# KiCad board poly_kb_wave_right.kicad_pcb
title: Poly Keyboard Wave R; date: 2022-12-20; rev: 1.4; company: thpoll; note: AISLER Project ID: ZHKWJIQG

Outline 182 x 129 mm; copper layers: Top (plane), In1.Cu, In2.Cu (plane), Bottom. Coordinates in mm from the lower left corner of the outline.
Outline path: 0,123 0,49 1,45 17,1 19,0 21,0 61,12 130,18 173,18 176,21 182,40 182,122 181,123 110.8,129 69.3,129 2,125 0,123 ; 17.36,30.74 arc(16.22,31.27) 16.75,32.41 24.26,35.14 arc(25.39,34.61) 24.86,33.47 17.36,30.74 ; 25.47,10.08 arc(24.33,10.61) 24.86,11.75 32.37,14.48 arc(33.5,13.95) 32.97,12.81 25.47,10.08 ; 39.86,101.57 arc(38.97,102.46) 39.86,103.35 47.84,103.35 arc(48.73,102.46) 47.84,101.57 39.86,101.57 ; 39.86,82.52 arc(38.97,83.41) 39.86,84.3 47.84,84.3 arc(48.73,83.41) 47.84,82.52 39.86,82.52 ; 39.86,63.47 arc(38.97,64.36) 39.86,65.25 47.84,65.25 arc(48.73,64.36) 47.84,63.47 39.86,63.47 ; 40.03,37.99 arc(38.96,38.65) 39.61,39.72 47.35,41.58 arc(48.45,40.94) 47.79,39.85 40.03,37.99 ; 45.72,16.27 arc(44.64,16.93) 45.3,18 53.06,19.86 arc(54.13,19.21) 53.48,18.13 45.72,16.27 ; 58.91,101.57 arc(58.02,102.46) 58.91,103.35 66.89,103.35 arc(67.78,102.46) 66.89,101.57 58.91,101.57 ; 58.91,82.52 arc(58.02,83.41) 58.91,84.3 66.89,84.3 arc(67.78,83.41) 66.89,82.52 58.91,82.52 ; 58.91,63.47 arc(58.02,64.36) 58.91,65.25 66.89,65.25 arc(67.78,64.36) 66.89,63.47 58.91,63.47 ; 58.91,44.42 arc(58.02,45.31) 58.91,46.2 66.89,46.2 arc(67.78,45.31) 66.89,44.42 58.91,44.42 ; 67.21,20.23 arc(66.24,21.04) 67.05,22 75,22.69 arc(75.97,21.89) 75.16,20.92 67.21,20.23 ; 77.96,103.95 arc(77.07,104.84) 77.96,105.73 85.94,105.73 arc(86.83,104.84) 85.94,103.95 77.96,103.95 ; 77.96,84.9 arc(77.07,85.79) 77.96,86.68 85.94,86.68 arc(86.83,85.79) 85.94,84.9 77.96,84.9 ; 77.96,65.85 arc(77.07,66.74) 77.96,67.63 85.94,67.63 arc(86.83,66.74) 85.94,65.85 77.96,65.85 ; 77.96,46.8 arc(77.07,47.69) 77.96,48.58 85.94,48.58 arc(86.83,47.69) 85.94,46.8 77.96,46.8 ; 97.01,106.34 arc(96.12,107.22) 97.01,108.11 104.99,108.11 arc(105.88,107.22) 104.99,106.34 97.01,106.34 ; 97.01,87.29 arc(96.12,88.18) 97.01,89.06 104.99,89.06 arc(105.88,88.17) 104.99,87.29 97.01,87.29 ; 97.01,68.24 arc(96.12,69.13) 97.01,70.01 104.99,70.01 arc(105.88,69.12) 104.99,68.24 97.01,68.24 ; 97.01,49.19 arc(96.12,50.08) 97.01,50.96 104.99,50.96 arc(105.88,50.07) 104.99,49.19 97.01,49.19 ; 97.01,30.14 arc(96.12,31.03) 97.01,31.91 104.99,31.91 arc(105.88,31.02) 104.99,30.14 97.01,30.14 ; 116.06,103.95 arc(115.17,104.84) 116.06,105.73 124.04,105.73 arc(124.93,104.84) 124.04,103.95 116.06,103.95 ; 116.06,84.9 arc(115.17,85.79) 116.06,86.68 124.04,86.68 arc(124.93,85.79) 124.04,84.9 116.06,84.9 ; 116.06,65.85 arc(115.17,66.74) 116.06,67.63 124.04,67.63 arc(124.93,66.74) 124.04,65.85 116.06,65.85 ; 116.06,46.8 arc(115.17,47.69) 116.06,48.58 124.04,48.58 arc(124.93,47.69) 124.04,46.8 116.06,46.8 ; 116.06,27.75 arc(115.17,28.64) 116.06,29.53 124.04,29.53 arc(124.93,28.64) 124.04,27.75 116.06,27.75 ; 135.11,101.57 arc(134.22,102.46) 135.11,103.35 143.09,103.35 arc(143.98,102.46) 143.09,101.57 135.11,101.57 ; 135.11,82.52 arc(134.22,83.41) 135.11,84.3 143.09,84.3 arc(143.98,83.41) 143.09,82.52 135.11,82.52 ; 135.11,63.47 arc(134.22,64.36) 135.11,65.25 143.09,65.25 arc(143.98,64.36) 143.09,63.47 135.11,63.47 ; 135.11,44.42 arc(134.22,45.31) 135.11,46.2 143.09,46.2 arc(143.98,45.31) 143.09,44.42 135.11,44.42 ; 135.11,25.37 arc(134.22,26.26) 135.11,27.15 143.09,27.15 arc(143.98,26.26) 143.09,25.37 135.11,25.37 ; 154.16,25.37 arc(153.27,26.26) 154.16,27.15 162.14,27.15 arc(163.03,26.26) 162.14,25.37 154.16,25.37 ; 158.92,101.57 arc(158.03,102.46) 158.92,103.35 166.9,103.35 arc(167.79,102.46) 166.9,101.57 158.92,101.57 ; 158.92,82.52 arc(158.03,83.41) 158.92,84.3 166.9,84.3 arc(167.79,83.41) 166.9,82.52 158.92,82.52 ; 158.92,63.47 arc(158.03,64.36) 158.92,65.25 166.9,65.25 arc(167.79,64.36) 166.9,63.47 158.92,63.47 ; 158.92,44.42 arc(158.03,45.31) 158.92,46.2 166.9,46.2 arc(167.79,45.31) 166.9,44.42 158.92,44.42
Stack: Top 0.035mm / dielectric 1.51mm FR4 er 4.5 / In1.Cu 0.035mm / dielectric 1.51mm FR4 er 4.5 / In2.Cu 0.035mm / dielectric 1.51mm FR4 er 4.5 / Bottom 0.035mm

## Placement (name value [footprint] x y rotation side)
C1  10pF 0603 16V  [C_0603_1608Metric]  31.65 113.91 270 top
C1_1  2.2uF 0603 25V  [C_0603_1608Metric]  37.25 116.2 180 bottom
C1_2  2.2uF 0603 25V  [C_0603_1608Metric]  56.3 116.2 180 bottom
C1_3  2.2uF 0603 25V  [C_0603_1608Metric]  75.35 118.58 180 bottom
C1_4  2.2uF 0603 25V  [C_0603_1608Metric]  94.4 120.96 180 bottom
C1_5  2.2uF 0603 25V  [C_0603_1608Metric]  113.45 118.58 180 bottom
C1_6  2.2uF 0603 25V  [C_0603_1608Metric]  132.5 116.2 180 bottom
C1_7  2.2uF 0603 25V  [C_0603_1608Metric]  156.31 116.2 180 bottom
C1_8  2.2uF 0603 25V  [C_0603_1608Metric]  37.25 97.15 180 bottom
C1_9  2.2uF 0603 25V  [C_0603_1608Metric]  56.3 97.15 180 bottom
C1_10  2.2uF 0603 25V  [C_0603_1608Metric]  75.35 99.53 180 bottom
C1_11  2.2uF 0603 25V  [C_0603_1608Metric]  94.4 101.91 180 bottom
C1_12  2.2uF 0603 25V  [C_0603_1608Metric]  113.45 99.53 180 bottom
C1_13  2.2uF 0603 25V  [C_0603_1608Metric]  132.5 97.15 180 bottom
C1_14  2.2uF 0603 25V  [C_0603_1608Metric]  156.31 97.15 180 bottom
C1_15  2.2uF 0603 25V  [C_0603_1608Metric]  37.25 78.1 180 bottom
C1_16  2.2uF 0603 25V  [C_0603_1608Metric]  56.3 78.1 180 bottom
C1_17  2.2uF 0603 25V  [C_0603_1608Metric]  75.35 80.48 180 bottom
C1_18  2.2uF 0603 25V  [C_0603_1608Metric]  94.4 82.86 180 bottom
C1_19  2.2uF 0603 25V  [C_0603_1608Metric]  113.45 80.48 180 bottom
C1_20  2.2uF 0603 25V  [C_0603_1608Metric]  132.5 78.1 180 bottom
C1_21  2.2uF 0603 25V  [C_0603_1608Metric]  156.31 78.1 180 bottom
C1_22  2.2uF 0603 25V  [C_0603_1608Metric]  34.08 51.6 193.5 bottom
C1_23  2.2uF 0603 25V  [C_0603_1608Metric]  56.3 59.05 180 bottom
C1_24  2.2uF 0603 25V  [C_0603_1608Metric]  75.35 61.43 180 bottom
C1_25  2.2uF 0603 25V  [C_0603_1608Metric]  94.4 63.81 180 bottom
C1_26  2.2uF 0603 25V  [C_0603_1608Metric]  113.45 61.43 180 bottom
C1_27  2.2uF 0603 25V  [C_0603_1608Metric]  132.5 59.05 180 bottom
C1_28  2.2uF 0603 25V  [C_0603_1608Metric]  156.31 59.05 180 bottom
C1_29  2.2uF 0603 25V  [C_0603_1608Metric]  9.91 43.59 200 bottom
C1_30  2.2uF 0603 25V  [C_0603_1608Metric]  18.02 22.93 200 bottom
C1_31  2.2uF 0603 25V  [C_0603_1608Metric]  39.75 29.89 193.5 bottom
C1_32  2.2uF 0603 25V  [C_0603_1608Metric]  63.35 34.55 185 bottom
C1_33  2.2uF 0603 25V  [C_0603_1608Metric]  94.4 44.76 180 bottom
C1_34  2.2uF 0603 25V  [C_0603_1608Metric]  113.45 42.38 180 bottom
C1_35  2.2uF 0603 25V  [C_0603_1608Metric]  132.5 40 180 bottom
C1_36  2.2uF 0603 25V  [C_0603_1608Metric]  151.55 40 180 bottom
C2  10pF 0603 16V  [C_0603_1608Metric]  30.05 113.91 270 top
C2_1  2.2uF 0603 16V  [C_0603_1608Metric]  50.62 110.24 180 bottom
C2_2  2.2uF 0603 16V  [C_0603_1608Metric]  69.67 110.24 180 bottom
C2_3  2.2uF 0603 16V  [C_0603_1608Metric]  88.72 112.62 180 bottom
C2_4  2.2uF 0603 16V  [C_0603_1608Metric]  107.77 115 180 bottom
C2_5  2.2uF 0603 16V  [C_0603_1608Metric]  126.82 112.62 180 bottom
C2_6  2.2uF 0603 16V  [C_0603_1608Metric]  145.84 110.17 0 bottom
C2_7  2.2uF 0603 16V  [C_0603_1608Metric]  169.68 110.24 180 bottom
C2_8  2.2uF 0603 16V  [C_0603_1608Metric]  50.62 91.19 180 bottom
C2_9  2.2uF 0603 16V  [C_0603_1608Metric]  69.67 91.19 180 bottom
C2_10  2.2uF 0603 16V  [C_0603_1608Metric]  88.72 93.57 180 bottom
C2_11  2.2uF 0603 16V  [C_0603_1608Metric]  107.77 95.95 180 bottom
C2_12  2.2uF 0603 16V  [C_0603_1608Metric]  126.82 93.57 180 bottom
C2_13  2.2uF 0603 16V  [C_0603_1608Metric]  145.89 91.22 0 bottom
C2_14  2.2uF 0603 16V  [C_0603_1608Metric]  169.68 91.19 180 bottom
C2_15  2.2uF 0603 16V  [C_0603_1608Metric]  50.62 72.14 180 bottom
C2_16  2.2uF 0603 16V  [C_0603_1608Metric]  69.67 72.14 180 bottom
C2_17  2.2uF 0603 16V  [C_0603_1608Metric]  88.72 74.52 180 bottom
C2_18  2.2uF 0603 16V  [C_0603_1608Metric]  107.77 76.9 180 bottom
C2_19  2.2uF 0603 16V  [C_0603_1608Metric]  126.82 74.52 180 bottom
C2_20  2.2uF 0603 16V  [C_0603_1608Metric]  145.89 72.1 0 bottom
C2_21  2.2uF 0603 16V  [C_0603_1608Metric]  169.68 72.14 180 bottom
C2_22  2.2uF 0603 16V  [C_0603_1608Metric]  48.47 48.92 193.5 bottom
C2_23  2.2uF 0603 16V  [C_0603_1608Metric]  69.67 53.09 180 bottom
C2_24  2.2uF 0603 16V  [C_0603_1608Metric]  88.72 55.47 180 bottom
C2_25  2.2uF 0603 16V  [C_0603_1608Metric]  107.77 57.85 180 bottom
C2_26  2.2uF 0603 16V  [C_0603_1608Metric]  126.82 55.47 180 bottom
C2_27  2.2uF 0603 16V  [C_0603_1608Metric]  145.89 53.05 0 bottom
C2_28  2.2uF 0603 16V  [C_0603_1608Metric]  169.68 53.09 180 bottom
C2_29  2.2uF 0603 16V  [C_0603_1608Metric]  24.51 42.56 200 bottom
C2_30  2.2uF 0603 16V  [C_0603_1608Metric]  32.62 21.9 200 bottom
C2_31  2.2uF 0603 16V  [C_0603_1608Metric]  54.14 27.21 193.5 bottom
C2_32  2.2uF 0603 16V  [C_0603_1608Metric]  77.19 29.77 185 bottom
C2_33  2.2uF 0603 16V  [C_0603_1608Metric]  107.77 38.8 180 bottom
C2_34  2.2uF 0603 16V  [C_0603_1608Metric]  126.82 36.42 180 bottom
C2_35  2.2uF 0603 16V  [C_0603_1608Metric]  145.87 34.04 180 bottom
C2_36  2.2uF 0603 16V  [C_0603_1608Metric]  164.92 34.04 180 bottom
C3  27pF 0402 16V  [C_0402_1005Metric]  19.1 97.2 180 bottom
C3_1  1uF 0402 16V  [C_0402_1005Metric]  50.13 117.54 0 bottom
C3_2  1uF 0402 16V  [C_0402_1005Metric]  69.18 117.54 0 bottom
C3_3  1uF 0402 16V  [C_0402_1005Metric]  88.23 119.92 0 bottom
C3_4  1uF 0402 16V  [C_0402_1005Metric]  107.28 122.3 0 bottom
C3_5  1uF 0402 16V  [C_0402_1005Metric]  126.33 119.92 0 bottom
C3_6  1uF 0402 16V  [C_0402_1005Metric]  145.38 117.54 0 bottom
C3_7  1uF 0402 16V  [C_0402_1005Metric]  169.19 117.54 0 bottom
C3_8  1uF 0402 16V  [C_0402_1005Metric]  50.13 98.49 0 bottom
C3_9  1uF 0402 16V  [C_0402_1005Metric]  69.18 98.49 0 bottom
C3_10  1uF 0402 16V  [C_0402_1005Metric]  88.23 100.87 0 bottom
C3_11  1uF 0402 16V  [C_0402_1005Metric]  107.28 103.25 0 bottom
C3_12  1uF 0402 16V  [C_0402_1005Metric]  126.33 100.87 0 bottom
C3_13  1uF 0402 16V  [C_0402_1005Metric]  145.38 98.49 0 bottom
C3_14  1uF 0402 16V  [C_0402_1005Metric]  169.19 98.49 0 bottom
C3_15  1uF 0402 16V  [C_0402_1005Metric]  50.13 79.44 0 bottom
C3_16  1uF 0402 16V  [C_0402_1005Metric]  69.18 79.44 0 bottom
C3_17  1uF 0402 16V  [C_0402_1005Metric]  88.23 81.82 0 bottom
C3_18  1uF 0402 16V  [C_0402_1005Metric]  107.28 84.2 0 bottom
C3_19  1uF 0402 16V  [C_0402_1005Metric]  126.33 81.82 0 bottom
C3_20  1uF 0402 16V  [C_0402_1005Metric]  145.38 79.44 0 bottom
C3_21  1uF 0402 16V  [C_0402_1005Metric]  169.19 79.44 0 bottom
C3_22  1uF 0402 16V  [C_0402_1005Metric]  46.29 55.91 13.5 bottom
C3_23  1uF 0402 16V  [C_0402_1005Metric]  69.18 60.39 0 bottom
C3_24  1uF 0402 16V  [C_0402_1005Metric]  88.23 62.77 0 bottom
C3_25  1uF 0402 16V  [C_0402_1005Metric]  107.28 65.15 0 bottom
C3_26  1uF 0402 16V  [C_0402_1005Metric]  126.33 62.77 0 bottom
C3_27  1uF 0402 16V  [C_0402_1005Metric]  145.38 60.39 0 bottom
C3_28  1uF 0402 16V  [C_0402_1005Metric]  169.19 60.39 0 bottom
C3_29  1uF 0402 16V  [C_0402_1005Metric]  21.55 49.25 20 bottom
C3_30  1uF 0402 16V  [C_0402_1005Metric]  29.66 28.59 20 bottom
C3_31  1uF 0402 16V  [C_0402_1005Metric]  51.96 34.2 13.5 bottom
C3_32  1uF 0402 16V  [C_0402_1005Metric]  76.07 37.01 5 bottom
C3_33  1uF 0402 16V  [C_0402_1005Metric]  107.28 46.1 0 bottom
C3_34  1uF 0402 16V  [C_0402_1005Metric]  126.33 43.72 0 bottom
C3_35  1uF 0402 16V  [C_0402_1005Metric]  145.38 41.34 0 bottom
C3_36  1uF 0402 16V  [C_0402_1005Metric]  164.43 41.34 0 bottom
C4  10uF 0805 16V  [C_0805_2012Metric]  3.1 116.41 180 top
C4_1  CA45-A-25V-4.7uF-K 4.7uF 3216 25V Tantalum  [CP_EIA-3216-18_Kemet-A]  36.85 118.12 180 bottom
C4_2  CA45-A-25V-4.7uF-K 4.7uF 3216 25V Tantalum  [CP_EIA-3216-18_Kemet-A]  55.9 118.12 180 bottom
C4_3  CA45-A-25V-4.7uF-K 4.7uF 3216 25V Tantalum  [CP_EIA-3216-18_Kemet-A]  74.95 120.5 180 bottom
C4_4  CA45-A-25V-4.7uF-K 4.7uF 3216 25V Tantalum  [CP_EIA-3216-18_Kemet-A]  93.3 110.7 270 bottom
C4_5  CA45-A-25V-4.7uF-K 4.7uF 3216 25V Tantalum  [CP_EIA-3216-18_Kemet-A]  113.05 120.5 180 bottom
C4_6  CA45-A-25V-4.7uF-K 4.7uF 3216 25V Tantalum  [CP_EIA-3216-18_Kemet-A]  132.1 118.12 180 bottom
C4_7  CA45-A-25V-4.7uF-K 4.7uF 3216 25V Tantalum  [CP_EIA-3216-18_Kemet-A]  155.92 118.12 180 bottom
C4_8  CA45-A-25V-4.7uF-K 4.7uF 3216 25V Tantalum  [CP_EIA-3216-18_Kemet-A]  37.8 100.35 90 bottom
C4_9  CA45-A-25V-4.7uF-K 4.7uF 3216 25V Tantalum  [CP_EIA-3216-18_Kemet-A]  55.9 99.07 180 bottom
C4_10  CA45-A-25V-4.7uF-K 4.7uF 3216 25V Tantalum  [CP_EIA-3216-18_Kemet-A]  74.95 101.45 180 bottom
C4_11  CA45-A-25V-4.7uF-K 4.7uF 3216 25V Tantalum  [CP_EIA-3216-18_Kemet-A]  94 103.84 180 bottom
C4_12  CA45-A-25V-4.7uF-K 4.7uF 3216 25V Tantalum  [CP_EIA-3216-18_Kemet-A]  113.05 101.45 180 bottom
C4_13  CA45-A-25V-4.7uF-K 4.7uF 3216 25V Tantalum  [CP_EIA-3216-18_Kemet-A]  132.1 99.07 180 bottom
C4_14  CA45-A-25V-4.7uF-K 4.7uF 3216 25V Tantalum  [CP_EIA-3216-18_Kemet-A]  155.92 99.07 180 bottom
C4_15  CA45-A-25V-4.7uF-K 4.7uF 3216 25V Tantalum  [CP_EIA-3216-18_Kemet-A]  36.85 80.02 180 bottom
C4_16  CA45-A-25V-4.7uF-K 4.7uF 3216 25V Tantalum  [CP_EIA-3216-18_Kemet-A]  55.9 80.02 180 bottom
C4_17  CA45-A-25V-4.7uF-K 4.7uF 3216 25V Tantalum  [CP_EIA-3216-18_Kemet-A]  74.95 82.41 180 bottom
C4_18  CA45-A-25V-4.7uF-K 4.7uF 3216 25V Tantalum  [CP_EIA-3216-18_Kemet-A]  94 84.79 180 bottom
C4_19  CA45-A-25V-4.7uF-K 4.7uF 3216 25V Tantalum  [CP_EIA-3216-18_Kemet-A]  113.05 82.41 180 bottom
C4_20  CA45-A-25V-4.7uF-K 4.7uF 3216 25V Tantalum  [CP_EIA-3216-18_Kemet-A]  132.1 80.02 180 bottom
C4_21  CA45-A-25V-4.7uF-K 4.7uF 3216 25V Tantalum  [CP_EIA-3216-18_Kemet-A]  155.92 81.1 180 bottom
C4_22  CA45-A-25V-4.7uF-K 4.7uF 3216 25V Tantalum  [CP_EIA-3216-18_Kemet-A]  32.6 53.3 193.5 bottom
C4_23  CA45-A-25V-4.7uF-K 4.7uF 3216 25V Tantalum  [CP_EIA-3216-18_Kemet-A]  55.9 60.97 180 bottom
C4_24  CA45-A-25V-4.7uF-K 4.7uF 3216 25V Tantalum  [CP_EIA-3216-18_Kemet-A]  74.95 63.35 180 bottom
C4_25  CA45-A-25V-4.7uF-K 4.7uF 3216 25V Tantalum  [CP_EIA-3216-18_Kemet-A]  94 65.74 180 bottom
C4_26  CA45-A-25V-4.7uF-K 4.7uF 3216 25V Tantalum  [CP_EIA-3216-18_Kemet-A]  113.05 63.35 180 bottom
C4_27  CA45-A-25V-4.7uF-K 4.7uF 3216 25V Tantalum  [CP_EIA-3216-18_Kemet-A]  132.1 60.97 180 bottom
C4_28  CA45-A-25V-4.7uF-K 4.7uF 3216 25V Tantalum  [CP_EIA-3216-18_Kemet-A]  155.92 60.97 180 bottom
C4_29  CA45-A-25V-4.7uF-K 4.7uF 3216 25V Tantalum  [CP_EIA-3216-18_Kemet-A]  8.37 45.37 200 bottom
C4_30  CA45-A-25V-4.7uF-K 4.7uF 3216 25V Tantalum  [CP_EIA-3216-18_Kemet-A]  16.8 24.81 200 bottom
C4_31  CA45-A-25V-4.7uF-K 4.7uF 3216 25V Tantalum  [CP_EIA-3216-18_Kemet-A]  38.6 31.91 193.5 bottom
C4_32  CA45-A-25V-4.7uF-K 4.7uF 3216 25V Tantalum  [CP_EIA-3216-18_Kemet-A]  62.6 36.6 185 bottom
C4_33  CA45-A-25V-4.7uF-K 4.7uF 3216 25V Tantalum  [CP_EIA-3216-18_Kemet-A]  94 46.69 180 bottom
C4_34  CA45-A-25V-4.7uF-K 4.7uF 3216 25V Tantalum  [CP_EIA-3216-18_Kemet-A]  113.05 44.3 180 bottom
C4_35  CA45-A-25V-4.7uF-K 4.7uF 3216 25V Tantalum  [CP_EIA-3216-18_Kemet-A]  132.1 41.92 180 bottom
C4_36  CA45-A-25V-4.7uF-K 4.7uF 3216 25V Tantalum  [CP_EIA-3216-18_Kemet-A]  151.15 41.8 180 bottom
C5  22pF 0603 16V  [C_0603_1608Metric]  6.7 111.66 0 top
C5_1  1uF 0402 16V  [C_0402_1005Metric]  50.13 114.67 180 bottom
C5_2  1uF 0402 16V  [C_0402_1005Metric]  69.18 114.67 180 bottom
C5_3  1uF 0402 16V  [C_0402_1005Metric]  88.23 117.05 180 bottom
C5_4  1uF 0402 16V  [C_0402_1005Metric]  107.28 119.44 180 bottom
C5_5  1uF 0402 16V  [C_0402_1005Metric]  126.33 117.05 180 bottom
C5_6  1uF 0402 16V  [C_0402_1005Metric]  145.38 114.67 180 bottom
C5_7  1uF 0402 16V  [C_0402_1005Metric]  169.19 114.67 180 bottom
C5_8  1uF 0402 16V  [C_0402_1005Metric]  50.13 95.62 180 bottom
C5_9  1uF 0402 16V  [C_0402_1005Metric]  69.18 95.62 180 bottom
C5_10  1uF 0402 16V  [C_0402_1005Metric]  88.23 98 180 bottom
C5_11  1uF 0402 16V  [C_0402_1005Metric]  107.28 100.39 180 bottom
C5_12  1uF 0402 16V  [C_0402_1005Metric]  126.33 98 180 bottom
C5_13  1uF 0402 16V  [C_0402_1005Metric]  145.38 95.62 180 bottom
C5_14  1uF 0402 16V  [C_0402_1005Metric]  169.19 95.62 180 bottom
C5_15  1uF 0402 16V  [C_0402_1005Metric]  50.13 76.57 180 bottom
C5_16  1uF 0402 16V  [C_0402_1005Metric]  69.18 76.57 180 bottom
C5_17  1uF 0402 16V  [C_0402_1005Metric]  88.23 78.95 180 bottom
C5_18  1uF 0402 16V  [C_0402_1005Metric]  107.28 81.34 180 bottom
C5_19  1uF 0402 16V  [C_0402_1005Metric]  126.33 78.95 180 bottom
C5_20  1uF 0402 16V  [C_0402_1005Metric]  145.38 76.57 180 bottom
C5_21  1uF 0402 16V  [C_0402_1005Metric]  169.19 76.57 180 bottom
C5_22  1uF 0402 16V  [C_0402_1005Metric]  46.96 53.13 193.5 bottom
C5_23  1uF 0402 16V  [C_0402_1005Metric]  69.18 57.52 180 bottom
C5_24  1uF 0402 16V  [C_0402_1005Metric]  88.23 59.9 180 bottom
C5_25  1uF 0402 16V  [C_0402_1005Metric]  107.28 62.29 180 bottom
C5_26  1uF 0402 16V  [C_0402_1005Metric]  126.33 59.9 180 bottom
C5_27  1uF 0402 16V  [C_0402_1005Metric]  145.38 57.52 180 bottom
C5_28  1uF 0402 16V  [C_0402_1005Metric]  169.19 57.52 180 bottom
C5_29  1uF 0402 16V  [C_0402_1005Metric]  22.53 46.56 200 bottom
C5_30  1uF 0402 16V  [C_0402_1005Metric]  30.64 25.9 200 bottom
C5_31  1uF 0402 16V  [C_0402_1005Metric]  52.63 31.41 193.5 bottom
C5_32  1uF 0402 16V  [C_0402_1005Metric]  76.31 34.15 185 bottom
C5_33  1uF 0402 16V  [C_0402_1005Metric]  107.28 43.24 180 bottom
C5_34  1uF 0402 16V  [C_0402_1005Metric]  126.33 40.85 180 bottom
C5_35  1uF 0402 16V  [C_0402_1005Metric]  145.38 38.47 180 bottom
C5_36  1uF 0402 16V  [C_0402_1005Metric]  164.43 38.47 180 bottom
C6  10uF 0805 16V  [C_0805_2012Metric]  3.8 113.6 90 top
C6_1  1uF 0402 16V  [C_0402_1005Metric]  50.13 115.94 0 bottom
C6_2  1uF 0402 16V  [C_0402_1005Metric]  69.18 115.94 0 bottom
C6_3  1uF 0402 16V  [C_0402_1005Metric]  88.23 118.32 0 bottom
C6_4  1uF 0402 16V  [C_0402_1005Metric]  107.28 120.71 0 bottom
C6_5  1uF 0402 16V  [C_0402_1005Metric]  126.33 118.32 0 bottom
C6_6  1uF 0402 16V  [C_0402_1005Metric]  145.38 115.94 0 bottom
C6_7  1uF 0402 16V  [C_0402_1005Metric]  169.19 115.94 0 bottom
C6_8  1uF 0402 16V  [C_0402_1005Metric]  50.13 96.89 0 bottom
C6_9  1uF 0402 16V  [C_0402_1005Metric]  69.18 96.89 0 bottom
C6_10  1uF 0402 16V  [C_0402_1005Metric]  88.23 99.27 0 bottom
C6_11  1uF 0402 16V  [C_0402_1005Metric]  107.28 101.66 0 bottom
C6_12  1uF 0402 16V  [C_0402_1005Metric]  126.33 99.27 0 bottom
C6_13  1uF 0402 16V  [C_0402_1005Metric]  145.38 96.89 0 bottom
C6_14  1uF 0402 16V  [C_0402_1005Metric]  169.19 96.89 0 bottom
C6_15  1uF 0402 16V  [C_0402_1005Metric]  50.13 77.84 0 bottom
C6_16  1uF 0402 16V  [C_0402_1005Metric]  69.18 77.84 0 bottom
C6_17  1uF 0402 16V  [C_0402_1005Metric]  88.23 80.22 0 bottom
C6_18  1uF 0402 16V  [C_0402_1005Metric]  107.28 82.61 0 bottom
C6_19  1uF 0402 16V  [C_0402_1005Metric]  126.33 80.22 0 bottom
C6_20  1uF 0402 16V  [C_0402_1005Metric]  145.38 77.84 0 bottom
C6_21  1uF 0402 16V  [C_0402_1005Metric]  169.19 77.84 0 bottom
C6_22  1uF 0402 16V  [C_0402_1005Metric]  46.66 54.36 13.5 bottom
C6_23  1uF 0402 16V  [C_0402_1005Metric]  69.18 58.79 0 bottom
C6_24  1uF 0402 16V  [C_0402_1005Metric]  88.23 61.17 0 bottom
C6_25  1uF 0402 16V  [C_0402_1005Metric]  107.28 63.56 0 bottom
C6_26  1uF 0402 16V  [C_0402_1005Metric]  126.33 61.17 0 bottom
C6_27  1uF 0402 16V  [C_0402_1005Metric]  145.38 58.79 0 bottom
C6_28  1uF 0402 16V  [C_0402_1005Metric]  169.19 58.79 0 bottom
C6_29  1uF 0402 16V  [C_0402_1005Metric]  22.1 47.75 20 bottom
C6_30  1uF 0402 16V  [C_0402_1005Metric]  30.21 27.1 20 bottom
C6_31  1uF 0402 16V  [C_0402_1005Metric]  52.33 32.65 13.5 bottom
C6_32  1uF 0402 16V  [C_0402_1005Metric]  76.2 35.42 5 bottom
C6_33  1uF 0402 16V  [C_0402_1005Metric]  107.28 44.51 0 bottom
C6_34  1uF 0402 16V  [C_0402_1005Metric]  126.33 42.12 0 bottom
C6_35  1uF 0402 16V  [C_0402_1005Metric]  145.38 39.74 0 bottom
C6_36  1uF 0402 16V  [C_0402_1005Metric]  164.43 39.74 0 bottom
C7  100nF 0402 16V  [C_0402_1005Metric]  10.1 116.6 90 top
C8  27pF 0402 16V  [C_0402_1005Metric]  18.1 92.2 270 bottom
C9  100nF 0402 16V  [C_0402_1005Metric]  23 110.1 270 top
C10  10uF 0805 16V  [C_0805_2012Metric]  7.36 104.61 180 top
C11  22pF 0603 16V  [C_0603_1608Metric]  3.25 101.48 270 top
C12  10uF 0805 16V  [C_0805_2012Metric]  5.15 96.47 0 top
C13  10uF 0805 16V  [C_0805_2012Metric]  5.7 107.56 180 bottom
C14  10uF 0805 16V  [C_0805_2012Metric]  7.6 103.7 90 bottom
C15  100nF 0402 16V  [C_0402_1005Metric]  15.51 102.3 180 top
C16  100nF 0402 16V  [C_0402_1005Metric]  17.1 106.78 270 top
C17  100nF 0402 16V  [C_0402_1005Metric]  14.11 103.44 0 top
C18  100nF 0402 16V  [C_0402_1005Metric]  17.49 102.22 180 top
C19  100nF 0402 16V  [C_0402_1005Metric]  14.4 104.83 270 top
C20  100nF 0402 16V  [C_0402_1005Metric]  15.81 106.83 270 top
C21  100nF 0402 16V  [C_0402_1005Metric]  19.3 106.78 270 top
C22  100nF 0402 16V  [C_0402_1005Metric]  18.2 106.78 270 top
C23  100nF 0402 16V  [C_0402_1005Metric]  19.25 104.88 180 top
C24  1uf 0402 16V  [C_0402_1005Metric]  14.05 108.98 180 top
C25  1uf 0402 16V  [C_0402_1005Metric]  14.67 106.83 270 top
C26  10uf 0805 16V  [C_0805_2012Metric]  19.42 102.13 270 top
C30  1uF 0402 16V  [C_0402_1005Metric]  8.57 89.65 0 top
C31  1uF 0402 16V  [C_0402_1005Metric]  10.55 89.67 0 top
C32  1uF 0402 16V  [C_0402_1005Metric]  12.84 89.67 0 top
C33  CA45-A-25V-4.7uF-K 4.7uF 3216 25V Tantalum  [CP_EIA-3216-18_Kemet-A]  26.3 92.6 0 top
C34  CA45-A-25V-4.7uF-K 4.7uF 3216 25V Tantalum  [CP_EIA-3216-18_Kemet-A]  26.3 90.2 0 top
CR1  B5819W SL  [D_SOD-123]  9 107.91 270 bottom
D1  Red 0805  [LED_0805_2012Metric]  9.8 122.2 90 bottom
D1_1  1N4148WS  [D_SOD-323Ext]  35.8 113.19 0 bottom
D1_2  1N4148WS  [D_SOD-323Ext]  54.85 113.19 0 bottom
D1_3  1N4148WS  [D_SOD-323Ext]  73.9 115.57 0 bottom
D1_4  1N4148WS  [D_SOD-323Ext]  92.95 117.95 0 bottom
D1_5  1N4148WS  [D_SOD-323Ext]  112 115.57 0 bottom
D1_6  1N4148WS  [D_SOD-323Ext]  131.05 113.19 0 bottom
D1_7  1N4148WS  [D_SOD-323Ext]  154.86 113.19 0 bottom
D1_8  1N4148WS  [D_SOD-323Ext]  35.8 94.14 0 bottom
D1_9  1N4148WS  [D_SOD-323Ext]  54.85 94.14 0 bottom
D1_10  1N4148WS  [D_SOD-323Ext]  73.9 96.52 0 bottom
D1_11  1N4148WS  [D_SOD-323Ext]  92.95 98.9 0 bottom
D1_12  1N4148WS  [D_SOD-323Ext]  112 96.52 0 bottom
D1_13  1N4148WS  [D_SOD-323Ext]  131.05 94.14 0 bottom
D1_14  1N4148WS  [D_SOD-323Ext]  154.86 94.14 0 bottom
D1_15  1N4148WS  [D_SOD-323Ext]  35.8 75.09 0 bottom
D1_16  1N4148WS  [D_SOD-323Ext]  54.85 75.09 0 bottom
D1_17  1N4148WS  [D_SOD-323Ext]  73.9 77.47 0 bottom
D1_18  1N4148WS  [D_SOD-323Ext]  92.95 79.85 0 bottom
D1_19  1N4148WS  [D_SOD-323Ext]  112 77.47 0 bottom
D1_20  1N4148WS  [D_SOD-323Ext]  131.05 75.09 0 bottom
D1_21  1N4148WS  [D_SOD-323Ext]  154.86 68.59 0 bottom
D1_22  1N4148WS  [D_SOD-323Ext]  33.37 48.33 13.5 bottom
D1_23  1N4148WS  [D_SOD-323Ext]  54.85 56.04 0 bottom
D1_24  1N4148WS  [D_SOD-323Ext]  73.9 58.42 0 bottom
D1_25  1N4148WS  [D_SOD-323Ext]  92.95 60.8 0 bottom
D1_26  1N4148WS  [D_SOD-323Ext]  112 58.42 0 bottom
D1_27  1N4148WS  [D_SOD-323Ext]  131.05 56.04 0 bottom
D1_28  1N4148WS  [D_SOD-323Ext]  154.86 56.04 0 bottom
D1_29  1N4148WS  [D_SOD-323Ext]  9.58 40.26 20 bottom
D1_30  1N4148WS  [D_SOD-323Ext]  17.69 19.6 20 bottom
D1_31  1N4148WS  [D_SOD-323Ext]  39.04 26.62 13.5 bottom
D1_32  1N4148WS  [D_SOD-323Ext]  62.17 31.42 5 bottom
D1_33  1N4148WS  [D_SOD-323Ext]  92.95 41.75 0 bottom
D1_34  1N4148WS  [D_SOD-323Ext]  112 39.37 0 bottom
D1_35  1N4148WS  [D_SOD-323Ext]  131.05 36.99 0 bottom
D1_36  1N4148WS  [D_SOD-323Ext]  150.1 36.99 0 bottom
D5  Green 0805  [LED_0805_2012Metric]  3.35 82.66 270 bottom
D6  Yellow 0805  [LED_0805_2012Metric]  3.4 90.6 90 bottom
D12  1N4148WS  [D_SOD-323Ext]  24.75 58.05 0 bottom
H1  MountingHole_Pad  [MountingHole_3mm_Pad_Via]  81.93 41 180 bottom
H2  MountingHole_Pad  [MountingHole_3mm_Pad_Via]  171.98 24 180 bottom
H3  MountingHole_Pad  [MountingHole_3mm_Pad_Via]  20.98 5 180 bottom
H4  MountingHole_Pad  [MountingHole_3mm_Pad_Via]  4.98 53 180 bottom
H5  MountingHole_Pad  [MountingHole_3mm_Pad_Via]  89.53 124.5 180 bottom
H6  MountingHole_Pad  [MountingHole_3mm_Pad_Via]  176.98 118 180 bottom
H7  MountingHole_Pad  [MountingHole_3mm_Pad_Via]  150.18 77.1 180 bottom
H8  MountingHole_Pad  [MountingHole_3mm_Pad_Via]  32.88 102.2 180 bottom
H9  MountingHole_Pad  [MountingHole_3mm_Pad_Via]  4.5 120.81 0 top
J1  FH34SRJ-14S-0.5SH  [FH34SRJ14S05SH50]  43.85 116.71 0 bottom
J2  FH34SRJ-14S-0.5SH  [FH34SRJ14S05SH50]  62.9 116.71 0 bottom
J3  FH34SRJ-14S-0.5SH  [FH34SRJ14S05SH50]  81.95 119.09 0 bottom
J4  FH34SRJ-14S-0.5SH  [FH34SRJ14S05SH50]  101 121.47 0 bottom
J5  FH34SRJ-14S-0.5SH  [FH34SRJ14S05SH50]  120.05 119.09 0 bottom
J6  FH34SRJ-14S-0.5SH  [FH34SRJ14S05SH50]  139.1 116.71 0 bottom
J7  FH34SRJ-14S-0.5SH  [FH34SRJ14S05SH50]  162.92 116.71 0 bottom
J8  FH34SRJ-14S-0.5SH  [FH34SRJ14S05SH50]  43.85 97.66 0 bottom
J9  FH34SRJ-14S-0.5SH  [FH34SRJ14S05SH50]  62.9 97.66 0 bottom
J10  FH34SRJ-14S-0.5SH  [FH34SRJ14S05SH50]  81.95 100.04 0 bottom
J11  FH34SRJ-14S-0.5SH  [FH34SRJ14S05SH50]  101 102.42 0 bottom
J12  FH34SRJ-14S-0.5SH  [FH34SRJ14S05SH50]  120.05 100.04 0 bottom
J13  FH34SRJ-14S-0.5SH  [FH34SRJ14S05SH50]  139.1 97.66 0 bottom
J14  FH34SRJ-14S-0.5SH  [FH34SRJ14S05SH50]  162.92 97.66 0 bottom
J15  FH34SRJ-14S-0.5SH  [FH34SRJ14S05SH50]  43.85 78.61 0 bottom
J16  FH34SRJ-14S-0.5SH  [FH34SRJ14S05SH50]  62.9 78.61 0 bottom
J17  FH34SRJ-14S-0.5SH  [FH34SRJ14S05SH50]  81.95 80.99 0 bottom
J18  FH34SRJ-14S-0.5SH  [FH34SRJ14S05SH50]  101 83.37 0 bottom
J19  FH34SRJ-14S-0.5SH  [FH34SRJ14S05SH50]  120.05 80.99 0 bottom
J20  FH34SRJ-14S-0.5SH  [FH34SRJ14S05SH50]  139.1 78.61 0 bottom
J21  FH34SRJ-14S-0.5SH  [FH34SRJ14S05SH50]  162.92 78.61 0 bottom
J22  FH34SRJ-14S-0.5SH  [FH34SRJ14S05SH50#2]  40.38 53.64 13.5 bottom
J23  FH34SRJ-14S-0.5SH  [FH34SRJ14S05SH50]  62.9 59.56 0 bottom
J24  FH34SRJ-14S-0.5SH  [FH34SRJ14S05SH50]  81.95 61.94 0 bottom
J25  FH34SRJ-14S-0.5SH  [FH34SRJ14S05SH50]  101 64.32 0 bottom
J26  FH34SRJ-14S-0.5SH  [FH34SRJ14S05SH50]  120.05 61.94 0 bottom
J27  FH34SRJ-14S-0.5SH  [FH34SRJ14S05SH50]  139.1 59.56 0 bottom
J28  FH34SRJ-14S-0.5SH  [FH34SRJ14S05SH50]  162.92 59.56 0 bottom
J29  FH34SRJ-14S-0.5SH  [FH34SRJ14S05SH50#3]  15.94 46.32 20 bottom
J30  FH34SRJ-14S-0.5SH  [FH34SRJ14S05SH50#3]  24.05 25.67 20 bottom
J31  FH34SRJ-14S-0.5SH  [FH34SRJ14S05SH50#2]  46.05 31.93 13.5 bottom
J32  FH34SRJ-14S-0.5SH  [FH34SRJ14S05SH50]  69.89 35.63 5 bottom
J33  FH34SRJ-14S-0.5SH  [FH34SRJ14S05SH50]  101 45.27 0 bottom
J34  FH34SRJ-14S-0.5SH  [FH34SRJ14S05SH50]  120.05 42.89 0 bottom
J35  FH34SRJ-14S-0.5SH  [FH34SRJ14S05SH50]  139.1 40.51 0 bottom
J36  FH34SRJ-14S-0.5SH  [FH34SRJ14S05SH50]  158.15 40.51 0 bottom
J37  FH12-30S-0.5SH  [Hirose_FH12-30S-0.5SH_1x30-1MP_P0.50mm_Horizontal]  15.8 86.09 0 top
J38  Conn_01x06  [PinHeader_1x10_P2.54mm_Vertical]  29.8 5.2 107 top
J39  Conn_01x03  [PinHeader_1x03_P2.54mm_Vertical]  6.3 63.93 0 top
J40  Conn_01x03_Male  [PinHeader_1x03_P2.54mm_Vertical]  24.68 124.31 90 top
J43  FH34SRJ-12S-0.5SH  [FH34SRJ12S05SH50]  14.98 77.18 200 bottom
J44  Conn_01x05  [PinHeader_1x05_P2.54mm_Vertical]  28.3 71.05 20 top
JP1  DisplayPowerIn  [SolderJumper-3_P1.3mm_Bridged12_RoundedPad1.0x1.5mm]  1.5 114.91 90 bottom
JP2  DispPowerOut  [SolderJumper-2_P1.3mm_Bridged_RoundedPad1.0x1.5mm]  3.4 87.41 180 bottom
JP3  DispPowerEn  [SolderJumper-2_P1.3mm_Bridged_RoundedPad1.0x1.5mm]  6.9 87.41 0 bottom
JP4  DisplayPowerBypass  [SolderJumper-2_P1.3mm_Open_RoundedPad1.0x1.5mm]  21.65 87.41 0 bottom
JP5  SolderJumper_2_Open  [SolderJumper-2_P1.3mm_Open_RoundedPad1.0x1.5mm]  29.6 117.6 90 bottom
JP6  SolderJumper_2_Open  [SolderJumper-2_P1.3mm_Open_RoundedPad1.0x1.5mm]  32.2 117.6 90 bottom
JP7  SolderJumper_2_Open  [SolderJumper-2_P1.3mm_Open_RoundedPad1.0x1.5mm]  32.2 113.56 270 bottom
JP8  SolderJumper_2_Open  [SolderJumper-2_P1.3mm_Open_RoundedPad1.0x1.5mm]  29.6 113.56 270 bottom
JP9  SolderJumper_2_Open  [SolderJumper-2_P1.3mm_Open_RoundedPad1.0x1.5mm]  29.6 110.1 270 bottom
JP10  SolderJumper_2_Open  [SolderJumper-2_P1.3mm_Open_RoundedPad1.0x1.5mm]  32.2 110.1 270 bottom
JP11  LogicLimitIn  [SolderJumper-2_P1.3mm_Bridged_RoundedPad1.0x1.5mm]  11.38 87.48 180 bottom
JP12  LogicLimitOut  [SolderJumper-2_P1.3mm_Bridged_RoundedPad1.0x1.5mm]  6.5 82.85 0 bottom
JP13  LogicLimitEn  [SolderJumper-2_P1.3mm_Bridged_RoundedPad1.0x1.5mm]  2.6 108.58 270 bottom
JP14  LogicLimitBypass  [SolderJumper-2_P1.3mm_Open_RoundedPad1.0x1.5mm]  16.6 82.85 180 bottom
JP30  VledSelect1  [SolderJumper-3_P1.3mm_Bridged12_RoundedPad1.0x1.5mm]  16.38 87.4 180 bottom
JP31  VledSelect2  [SolderJumper-3_P1.3mm_Bridged12_RoundedPad1.0x1.5mm]  28.75 82.81 0 bottom
JP32  StatusPowerSel  [SolderJumper-3_P1.3mm_Bridged12_RoundedPad1.0x1.5mm]  28.7 87.35 180 bottom
JP33  OptionalGnd  [SolderJumper-3_P1.3mm_Bridged12_RoundedPad1.0x1.5mm]  5.8 78.86 0 bottom